# Altium PCB Core.PcbDoc (part 1 of 5) (continued)
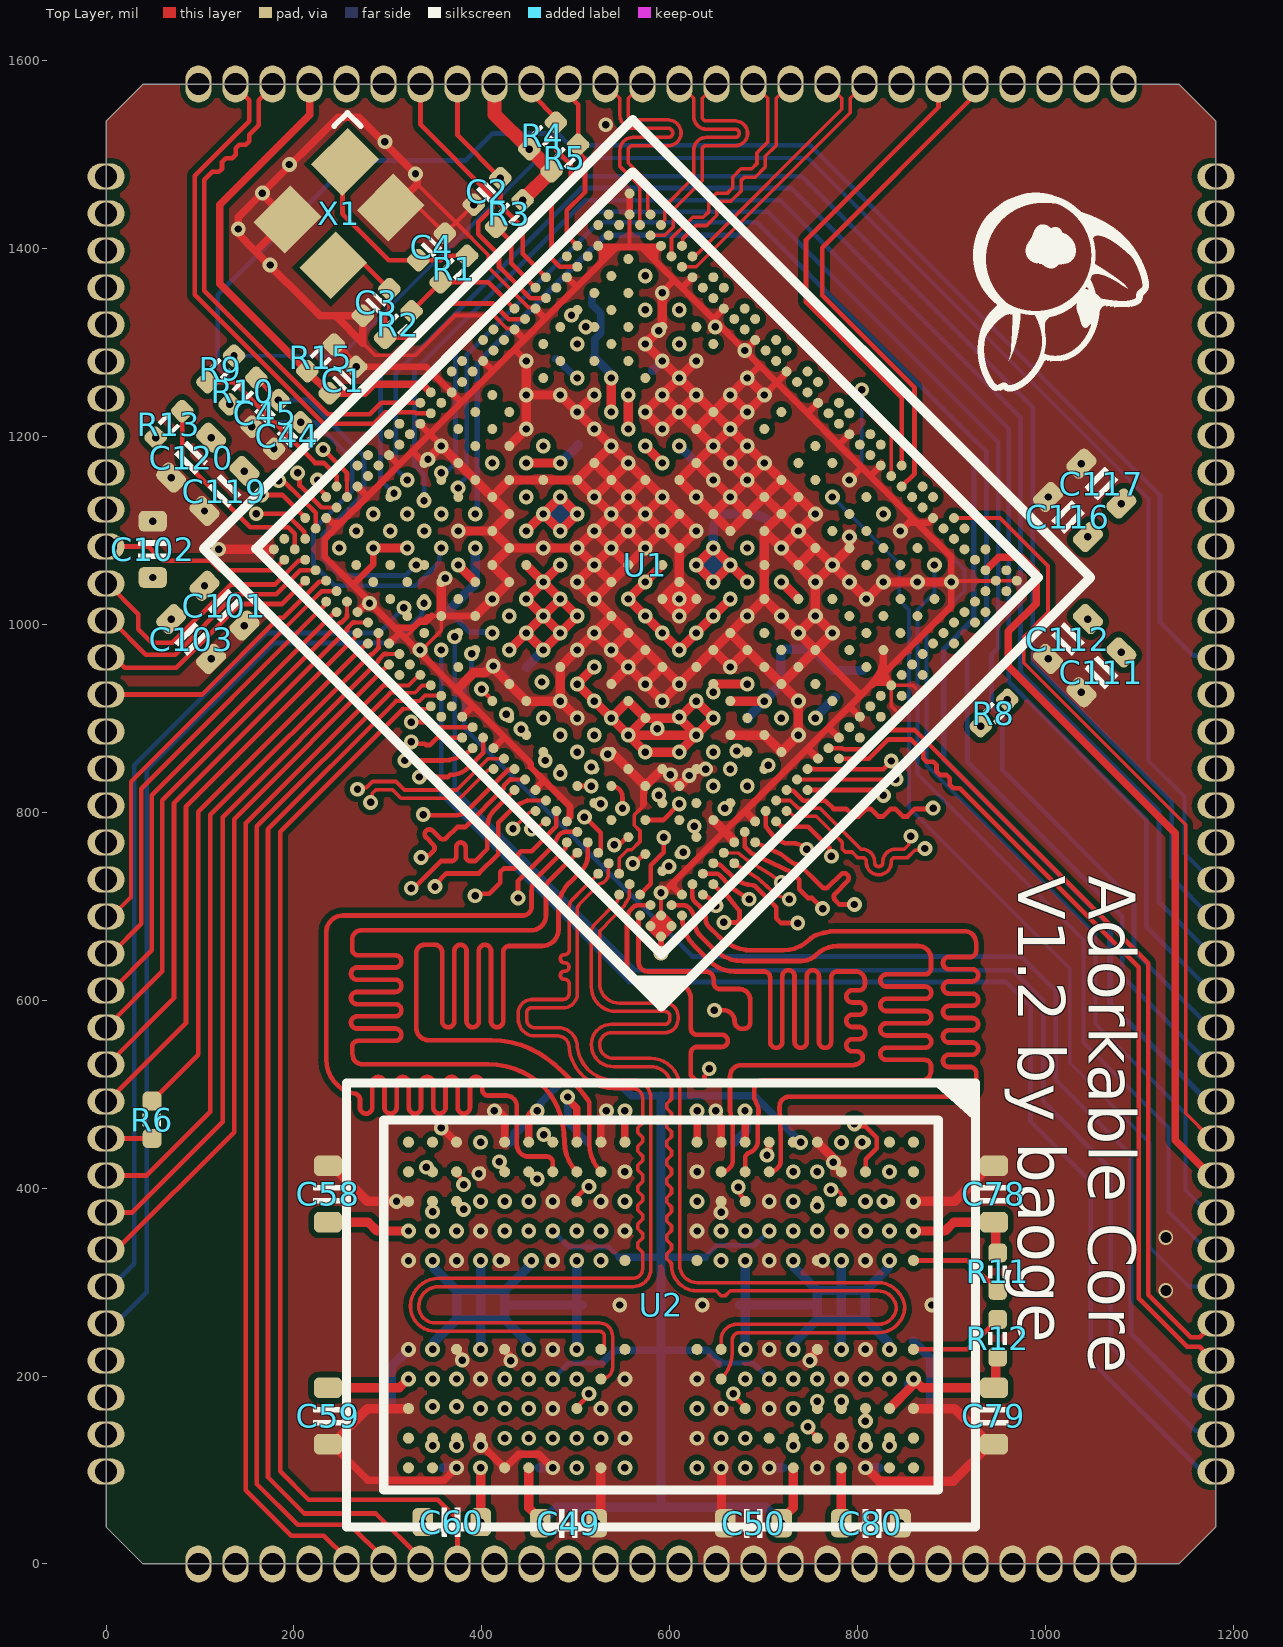
[diagram p0: Top Layer view]
## Design rules (kind name [scope] priority, off if disabled: settings)
Clearance [All] p1: gap=6 ignorepadtopadclearanceinfootprint=FALSE except(3.5: Arc-Arc Arc-Track Arc-SMDPad Track-Track Track-SMDPad; 4: Arc-THPad Arc-Via Track-THPad Track-Via SMDPad-SMDPad SMDPad-THPad SMDPad-Via THPad-THPad THPad-Via Via-Via)
DiffPairsRouting 90ohm [InDifferentialPairClass('90ohm')] p1: maxlimit=5 minlimit=5 mostfreqgap=5 toplayer_minwidth=5 toplayer_maxwidth=5 toplayer_prefwidth=5 midlayer1_minwidth=4.5 midlayer1_maxwidth=4.5 midlayer1_prefwidth=4.5 midlayer2_minwidth=4.5 midlayer2_maxwidth=4.5 midlayer2_prefwidth=4.5 midlayer3_minwidth=4.5 midlayer3_maxwidth=4.5 midlayer3_prefwidth=4.5 midlayer4_minwidth=4.5 midlayer4_maxwidth=4.5 midlayer4_prefwidth=4.5 bottomlayer_minwidth=5 bottomlayer_maxwidth=5 bottomlayer_prefwidth=5 maxuncoupledlength=500
DiffPairsRouting 100ohm [InDifferentialPairClass('100ohm')] p2: maxlimit=8 minlimit=5 mostfreqgap=8 toplayer_maxgap=5 toplayer_prefgap=5 toplayer_minwidth=3.8 toplayer_maxwidth=3.8 toplayer_prefwidth=3.8 midlayer1_mingap=8 midlayer1_minwidth=4.2 midlayer1_maxwidth=4.2 midlayer1_prefwidth=4.2 midlayer2_mingap=8 midlayer2_minwidth=4.2 midlayer2_maxwidth=4.2 midlayer2_prefwidth=4.2 midlayer3_mingap=8 midlayer3_minwidth=4.2 midlayer3_maxwidth=4.2 midlayer3_prefwidth=4.2 midlayer4_mingap=8 midlayer4_minwidth=4.2 midlayer4_maxwidth=4.2 midlayer4_prefwidth=4.2 bottomlayer_maxgap=5 bottomlayer_prefgap=5 bottomlayer_minwidth=3.8 bottomlayer_maxwidth=3.8 bottomlayer_prefwidth=3.8 maxuncoupledlength=500
HoleToHoleClearance [All] p1: gap=7 allowstackedmicrovias=TRUE
MinimumSolderMaskSliver [All] p1: minsoldermaskwidth=0
PlaneConnect [All] p1: planeconnectstyle=Direct reliefexpansion=20 reliefentries=4 reliefconductorwidth=10 reliefairgap=10
PolygonConnect [All] p1: connectstyle=Direct reliefconductorwidth=10 reliefentries=4 polygonreliefangle="90 Angle" airgapwidth=10
RoutingVias [All] p1: holewidth=15.75 width=11.81 viastyle="Through Hole" minholewidth=6 minwidth=10 maxholewidth=314.96 maxwidth=393.7
SilkToSilkClearance [All] p1: silktosilkclearance=0
SilkToSolderMaskClearance [IsPad] p1: minsilkscreentomaskgap=0 clearancetoexposedcopper=TRUE
SolderMaskExpansion [IsVia] p1: expansion=4 istentingtop=TRUE
SupplyNets "Schematic Supply Nets_8" [InNet('VCCIO_ACODEC')] p1: voltage=0.000
SupplyNets "Schematic Supply Nets_17" [InNet('VCCA1V8_IMAGE')] p2: voltage=0.000
SupplyNets "Schematic Supply Nets_16" [InNet('VDD_LOGIC')] p3: voltage=0.000
SupplyNets "Schematic Supply Nets_15" [InNet('VCC3V3_PMU')] p4: voltage=0.000
SupplyNets "Schematic Supply Nets_14" [InNet('VDDA_0V9')] p5: voltage=0.000
SupplyNets "Schematic Supply Nets_12" [InNet('VCC0V6_DDR')] p6: voltage=0.000
SupplyNets "Schematic Supply Nets_11" [InNet('GND')] p7: voltage=0.000
SupplyNets "Schematic Supply Nets_10" [InNet('VDD_GPU')] p8: voltage=0.000
SupplyNets "Schematic Supply Nets_9" [InNet('VDD_NPU')] p9: voltage=0.000
SupplyNets "Schematic Supply Nets_7" [InNet('VCCIO_SD')] p10: voltage=0.000
SupplyNets "Schematic Supply Nets_6" [InNet('VCC_3V3')] p11: voltage=0.000
SupplyNets "Schematic Supply Nets_5" [InNet('VCC1V8_DDR')] p12: voltage=0.000
SupplyNets "Schematic Supply Nets_4" [InNet('VDD_CPU')] p13: voltage=0.000
SupplyNets "Schematic Supply Nets_3" [InNet('VDDA0V9_PMU')] p14: voltage=0.000
SupplyNets "Schematic Supply Nets_2" [InNet('VCC_1V8')] p15: voltage=0.000
SupplyNets "Schematic Supply Nets_1" [InNet('VCCA_1V8')] p16: voltage=0.000
SupplyNets "Schematic Supply Nets" [InNet('VDDA0V9_IMAGE')] p17: voltage=0.000
Width [All] p1: maxlimit=40 minlimit=3.5 preferedwidth=5
24 further rules are at their usual default settings.

## Classes and differential pairs
net class LPDDR4_DQ8-15B: LPDDR4_DM1_B LPDDR4_DQ8_B LPDDR4_DQ9_B LPDDR4_DQ10_B LPDDR4_DQ11_B LPDDR4_DQ12_B LPDDR4_DQ13_B LPDDR4_DQ14_B LPDDR4_DQ15_B LPDDR4_DQS1_B_N LPDDR4_DQS1_B_P
net class LPDDR4_DQ8-15A: LPDDR4_DM1_A LPDDR4_DQ8_A LPDDR4_DQ9_A LPDDR4_DQ10_A LPDDR4_DQ11_A LPDDR4_DQ12_A LPDDR4_DQ13_A LPDDR4_DQ14_A LPDDR4_DQ15_A LPDDR4_DQS1_A_N LPDDR4_DQS1_A_P
net class LPDDR4_DQ0-7B: LPDDR4_DM0_B LPDDR4_DQ0_B LPDDR4_DQ1_B LPDDR4_DQ2_B LPDDR4_DQ3_B LPDDR4_DQ4_B LPDDR4_DQ5_B LPDDR4_DQ6_B LPDDR4_DQ7_B LPDDR4_DQS0_B_N LPDDR4_DQS0_B_P
net class LPDDR4_DQ0-7A: LPDDR4_DM0_A LPDDR4_DQ0_A LPDDR4_DQ1_A LPDDR4_DQ2_A LPDDR4_DQ3_A LPDDR4_DQ4_A LPDDR4_DQ5_A LPDDR4_DQ6_A LPDDR4_DQ7_A LPDDR4_DQS0_A_N LPDDR4_DQS0_A_P
net class LPDDR4_A0-5B: LPDDR4_A0_B LPDDR4_A1_B LPDDR4_A2_B LPDDR4_A3_B LPDDR4_A4_B LPDDR4_A5_B LPDDR4_CKE0_B LPDDR4_CKE1_B LPDDR4_CLK_B_N LPDDR4_CLK_B_P LPDDR4_CS0N_B LPDDR4_CS1N_B LPDDR4_ODT0_CA_B
net class LPDDR4_A0-5A: LPDDR4_A0_A LPDDR4_A1_A LPDDR4_A2_A LPDDR4_A3_A LPDDR4_A4_A LPDDR4_A5_A LPDDR4_CKE0_A LPDDR4_CKE1_A LPDDR4_CLK_A_N LPDDR4_CLK_A_P LPDDR4_CS0N_A LPDDR4_CS1N_A LPDDR4_ODT0_CA_A
differential pair class 100ohm: HDMI_TX_CLK HDMI_TX_D0 HDMI_TX_D1 HDMI_TX_D2 LPDDR4_CLK_A LPDDR4_CLK_B LPDDR4_DQS0_A LPDDR4_DQS0_B LPDDR4_DQS1_A LPDDR4_DQS1_B
differential pair class 90ohm: USB_HOST2 USB_HOST3 USB_OTG0
net class 100ohm: HDMI_TX_CLK_N HDMI_TX_CLK_P HDMI_TX_D0_N HDMI_TX_D0_P HDMI_TX_D1_N HDMI_TX_D1_P HDMI_TX_D2_N HDMI_TX_D2_P LPDDR4_CLK_A_N LPDDR4_CLK_A_P LPDDR4_CLK_B_N LPDDR4_CLK_B_P LPDDR4_DQS0_A_N LPDDR4_DQS0_A_P LPDDR4_DQS0_B_N LPDDR4_DQS0_B_P LPDDR4_DQS1_A_N LPDDR4_DQS1_A_P LPDDR4_DQS1_B_N LPDDR4_DQS1_B_P
net class 90ohm: USB_HOST2_N USB_HOST2_P USB_HOST3_N USB_HOST3_P USB_OTG0_N USB_OTG0_P
differential pair USB_OTG0: +USB_OTG0_P -USB_OTG0_N
differential pair USB_HOST3: +USB_HOST3_P -USB_HOST3_N
differential pair USB_HOST2: +USB_HOST2_P -USB_HOST2_N
differential pair LPDDR4_DQS1_B: +LPDDR4_DQS1_B_P -LPDDR4_DQS1_B_N
differential pair LPDDR4_DQS1_A: +LPDDR4_DQS1_A_P -LPDDR4_DQS1_A_N
differential pair LPDDR4_DQS0_B: +LPDDR4_DQS0_B_P -LPDDR4_DQS0_B_N
differential pair LPDDR4_DQS0_A: +LPDDR4_DQS0_A_P -LPDDR4_DQS0_A_N
differential pair LPDDR4_CLK_B: +LPDDR4_CLK_B_P -LPDDR4_CLK_B_N
differential pair LPDDR4_CLK_A: +LPDDR4_CLK_A_P -LPDDR4_CLK_A_N
differential pair HDMI_TX_D2: +HDMI_TX_D2_P -HDMI_TX_D2_N
differential pair HDMI_TX_D1: +HDMI_TX_D1_P -HDMI_TX_D1_N
differential pair HDMI_TX_D0: +HDMI_TX_D0_P -HDMI_TX_D0_N
differential pair HDMI_TX_CLK: +HDMI_TX_CLK_P -HDMI_TX_CLK_N

## Components (designator, comment, footprint, x,y, rotation, side; value= is the part's Value field where it differs from the comment)
C1 "C0402" CAP_0402 251.97,1259.84 r225 top value=100nF
C2 "C0402" CAP_0402 405.51,1460.63 r45 top value=100nF
C3 "C0402" CAP_0402 287.4,1342.52 r45 top value=12pF
C4 "C0402" CAP_0402 346.46,1401.57 r225 top value=12pF
C5 "C0201" CAP_0201 690.91,944.81 r225 bottom value=100nF
C6 "C0201" CAP_0201 419.48,1163.08 r135 bottom value=100nF
C7 "C0201" CAP_0201 438.7,1126.89 r45 bottom value=100nF
C8 "C0201" CAP_0201 438.7,1180.05 r315 bottom value=100nF
C9 "C0201" CAP_0201 564.24,1235.46 r315 bottom value=100nF
C10 "C0201" CAP_0201 709.54,981.93 r315 bottom value=100nF
C11 "C0402" CAP_0402 533.73,1298.23 r225 bottom value=1uF
C12 "C0201" CAP_0201 546.15,1270.53 r225 bottom value=100nF
C13 "C0201" CAP_0201 727.1,908.62 r225 bottom value=100nF
C14 "C0402" CAP_0402 463.94,1268.51 r45 bottom value=1uF
C15 "C0201" CAP_0201 492.98,1253.55 r45 bottom value=100nF
C16 "C0201" CAP_0201 745.25,890.49 r45 bottom value=1uF
C17 "C0201" CAP_0201 646.23,939.28 r270 bottom value=100nF
C18 "C0201" CAP_0201 547.27,1199.27 r225 bottom value=100nF
C19 "C0201" CAP_0201 456.79,1198.14 r315 bottom value=100nF
C20 "C0201" CAP_0201 511.08,1199.27 r225 bottom value=100nF
C21 "C0402" CAP_0402 761.95,936.65 r315 bottom value=4.7uF
C22 "C0402" CAP_0402 791.26,964.94 r315 bottom value=1uF
C23 "C0201" CAP_0201 692.03,890.52 r135 bottom value=100nF
C24 "C0201" CAP_0201 529.17,1234.33 r135 bottom value=100nF
C25 "C0402" CAP_0402 531.15,1362.3 r225 bottom value=1uF
C26 "C0201" CAP_0201 601.56,1342.91 r315 bottom value=100nF
C27 "C0402" CAP_0402 348.21,998.03 r45 bottom value=4.7uF
C28 "C0201" CAP_0201 582.34,1198.14 r225 bottom value=100nF
C29 "C0402" CAP_0402 579.13,1151.42 r45 bottom value=1uF
C30 "C0201" CAP_0201 401.38,1000.22 r315 bottom value=100nF
C31 "C0201" CAP_0201 618.53,1198.14 r225 bottom value=100nF
C32 "C0201" CAP_0201 636.62,1180.05 r225 bottom value=1uF
C33 "C0201" CAP_0201 504.22,914.9 r45 bottom value=100nF
C34 "C0201" CAP_0201 586.53,901.28 r270 bottom value=100nF
C35 "C0201" CAP_0201 511.08,962.91 r315 bottom value=100nF
C36 "C0402" CAP_0402 615.85,922.51 r270 bottom value=4.7uF
C37 "C0402" CAP_0402 440.31,1042.48 r315 bottom value=4.7uF
C38 "C0201" CAP_0201 486.31,933.06 r45 bottom value=100nF
C39 "C0201" CAP_0201 547.67,873.16 r45 bottom value=100nF
C40 "C0201" CAP_0201 610.04,852.48 r90 bottom value=100nF
C41 "C0402" CAP_0402 548.76,918.23 r225 bottom value=4.7uF
C42 "C0402" CAP_0402 562.52,844.63 r45 bottom value=4.7uF
C43 "C0201" CAP_0201 402.51,1107.67 r135 bottom value=100nF
C44 "C0402" CAP_0402 192.91,1200.79 r45 top value=1nF
C45 "C0402" CAP_0402 169.29,1224.41 r45 top value=1nF
C46 "C0201" CAP_0201 366.32,1054.51 r225 bottom value=100nF
C47 "C0201" CAP_0201 709,1054.51 r135 bottom value=100nF
C48 "C0201" CAP_0201 673.94,1089.57 r135 bottom value=100nF
C49 "C0603" CAP_0603#1 492.13,43.31 r180 top value=10uF
C50 "C0603" CAP_0603#1 688.98,43.31 r0 top value=10uF
C51 "C0402" CAP_0402 705.71,334.33 r90 bottom value=100nF
C52 "C0402" CAP_0402 705.71,216.85 r270 bottom value=100nF
C53 "C0402" CAP_0402 475.39,216.85 r270 bottom value=100nF
C54 "C0402" CAP_0402 449.8,448.82 r180 bottom value=100nF
C55 "C0402" CAP_0402 731.3,448.59 r0 bottom value=100nF
C56 "C0402" CAP_0402 475.39,334.33 r90 bottom value=100nF
C57 "C0201" CAP_0201 384.41,1089.57 r135 bottom value=100nF
C58 "C0603" CAP_0603#1 236.22,393.7 r270 top value=22uF
C59 "C0603" CAP_0603#1 236.22,157.48 r90 top value=10uF
C60 "C0603" CAP_0603#2 367.17,44.6 r0 top value=10uF
C61 "C0402" CAP_0402 378.62,448.82 r0 bottom value=1uF
C62 "C0402" CAP_0402 859.25,334.33 r90 bottom value=100nF
C63 "C0402" CAP_0402 321.85,334.33 r90 bottom value=100nF
C64 "C0402" CAP_0402 373.03,311.02 r270 bottom value=100nF
C65 "C0402" CAP_0402 853.66,385.83 r180 bottom value=100nF
C66 "C0402" CAP_0402 327.44,385.83 r0 bottom value=100nF
C67 "C0402" CAP_0402 808.07,240.16 r90 bottom value=100nF
C68 "C0402" CAP_0402 321.85,216.85 r270 bottom value=100nF
C69 "C0402" CAP_0402 859.25,216.85 r270 bottom value=100nF
C70 "C0402" CAP_0402 424.21,240.16 r90 bottom value=100nF
C71 "C0402" CAP_0402 756.89,240.16 r90 bottom value=100nF
C72 "C0402" CAP_0402 373.03,240.16 r90 bottom value=100nF
C73 "C0402" CAP_0402 628.94,365.83 r90 bottom value=100nF
C74 "C0402" CAP_0402 424.21,311.02 r270 bottom value=100nF
C75 "C0402" CAP_0402 808.07,311.02 r270 bottom value=100nF
C76 "C0402" CAP_0402 552.16,365.83 r90 bottom value=100nF
C77 "C0402" CAP_0402 756.89,311.02 r270 bottom value=100nF
C78 "C0603" CAP_0603#1 944.88,393.7 r270 top value=22uF
C79 "C0603" CAP_0603#1 944.88,157.48 r90 top value=10uF
C80 "C0603" CAP_0603#3 815.47,43.31 r180 top value=10uF
C81 "C0402" CAP_0402 802.48,448.82 r180 bottom value=1uF
C82 "C0402" CAP_0402 711.3,385.83 r0 bottom value=100nF
C83 "C0402" CAP_0402 552.16,188.98 r270 bottom value=100nF
C84 "C0402" CAP_0402 628.94,188.98 r270 bottom value=100nF
C85 "C0402" CAP_0402 469.8,385.83 r180 bottom value=100nF
C86 "C0402" CAP_0402 628.94,114.17 r270 bottom value=100nF
C87 "C0402" CAP_0402 802.48,102.36 r180 bottom value=100nF
C88 "C0402" CAP_0402 480.98,102.36 r0 bottom value=100nF
C89 "C0402" CAP_0402 700.12,102.36 r180 bottom value=100nF
C90 "C0402" CAP_0402 378.62,102.36 r0 bottom value=100nF
C91 "C0402" CAP_0402 853.66,165.35 r180 bottom value=100nF
C92 "C0402" CAP_0402 327.44,165.35 r0 bottom value=100nF
C93 "C0402" CAP_0402 469.8,165.35 r180 bottom value=100nF
C94 "C0402" CAP_0402 711.3,165.35 r0 bottom value=100nF
C95 "C0402" CAP_0402 526.57,275.59 r180 bottom value=100nF
C96 "C0402" CAP_0402 654.53,275.59 r0 bottom value=100nF
C97 "C0402" CAP_0402 532.16,448.82 r180 bottom value=100nF
C98 "C0402" CAP_0402 648.94,448.82 r0 bottom value=100nF
C99 "C0402" CAP_0402 552.16,114.17 r270 bottom value=100nF
C100 "C0402" CAP_0402 503.41,1029.01 r225 bottom value=4.7uF
C101 "C0603" CAP_0603#1 125.98,1019.68 r135 top value=22uF
C102 "C0603" CAP_0603#1 49.65,1079.69 r270 top value=22uF
C103 "C0603" CAP_0603#1 90.55,984.25 r135 top value=22uF
C104 "C0201" CAP_0201 420.6,964.03 r45 bottom value=100nF
C105 "C0201" CAP_0201 439.24,945.47 r45 bottom value=100nF
C106 "C0201" CAP_0201 672.81,1018.32 r135 bottom value=100nF
C107 "C0402" CAP_0402 656.35,991.62 r135 bottom value=4.7uF
C108 "C0402" CAP_0402 565.5,977.61 r45 bottom value=4.7uF
C109 "C0402" CAP_0402 540.02,1002.71 r45 bottom value=4.7uF
C110 "C0603" CAP_0603#1 561.55,1061.97 r315 bottom value=10uF
C111 "C0603" CAP_0603#1 1059.06,948.82 r45 top value=22uF
C112 "C0603" CAP_0603#1 1023.62,984.25 r45 top value=22uF
C113 "C0201" CAP_0201 690.91,1036.41 r135 bottom value=100nF
C114 "C0402" CAP_0402 722.57,1121.23 r225 bottom value=4.7uF
C115 "C0603" CAP_0603#1 605.85,1082.24 r315 bottom value=10uF
C116 "C0603" CAP_0603#1 1023.62,1114.17 r315 top value=22uF
C117 "C0603" CAP_0603#1 1059.06,1149.61 r315 top value=22uF
C118 "C0201" CAP_0201 455.67,1090.7 r135 bottom value=100nF
C119 "C0603" CAP_0603#1 125.98,1141.73 r45 top value=10uF
C120 "C0603" CAP_0603#1 90.55,1177.17 r45 top value=22uF
C121 "C0603" CAP_0603#1 499.66,1134.38 r225 bottom value=22uF
C122 "C0201" CAP_0201 420.6,1019.17 r135 bottom value=100nF
R1 "R0402" RES_0402 370.08,1377.95 r225 top value=22Ω
R2 "R0402" RES_0402 311.02,1318.9 r45 top value=1MΩ
R3 "R0402" RES_0402 429.13,1437.01 r45 top value=10K
R4 "R0402" RES_0402 464.57,1519.68 r45 top value=2.2K
R5 "R0402" RES_0402 488.19,1496.06 r45 top value=2.2K
R6 "R0402" RES_0402 48.92,472.76 r270 top value=22Ω
R7 "R0402" RES_0402 595.9,1284.09 r225 bottom value=1.62K
R8 "R0402" RES_0402 944.88,905.51 r225 top value=120Ω
R9 "R0402" RES_0402 122.05,1271.65 r45 top value=22Ω
R10 "R0402" RES_0402 145.67,1248.03 r225 top value=10K
R11 "R0402" RES_0402 948.82,311.02 r270 top value=240Ω
R12 "R0402" RES_0402 948.82,240.16 r270 top value=240Ω
R13 "R0402" RES_0402 66.93,1212.6 r225 top value=22Ω
R15 "R0402" RES_0402 228.35,1283.46 r225 top value=15K
U1 "RK3566" RK3566 590.55,667.68 r135 top locked
U2 "LPDDR4" LPDDR4 859.25,448.82 r270 top locked
X1 "24MHz" OSC-SMD_4P-L3.2-W2.5-BL 248.03,1437.01 r225 top

## Footprints (in the part's own frame and the unit in brackets; to place one, negate y for a bottom-side part, rotate by r counter-clockwise, add the part's x,y. Pads: shape width x height; smd on the part's side, far side on the other; paste and mask are expansions set on the pad)
CAP_0201 [mil]
  rrect50% 12x12 smd: 1(-12,0) 2(12,0)
  silkscreen extent -4,-5 4,5, body extent -12,-6 12,6, height 12
CAP_0402 [mil]
  rrect50% 20x20 smd: 1(-20,0) 2(20,0)
  silkscreen extent -7,-9 6,9, body extent -20,-10 20,10, height 20
CAP_0603#1 [mil]
  rrect50% 22x30 smd: 1(-30,0) 2(30,0)
  silkscreen extent -10,-15 10,15, body extent -31,-16 31,16, height 31
CAP_0603#2 [mil]
  rrect50% 22x30 smd: 1(-30,0) 2(31.46,0)
  silkscreen extent -10,-15 10,15, body extent -31,-16 31,16, height 31
CAP_0603#3 [mil]
  rrect50% 22x30 smd: 1(-30,0) 2(32.99,0)
  silkscreen extent -10,-15 10,15, body extent -31,-16 31,16, height 31
LPDDR4 [mm]
  round 0.3 smd: A1(0,0) A2(0.8,0) A3(1.6,0) A4(2.4,0) A5(3.2,0) A8(5.6,0) A9(6.4,0) A10(7.2,0) A11(8,0) A12(8.8,0) AA1(0,-13) AA2(0.8,-13) AA3(1.6,-13) AA4(2.4,-13) AA5(3.2,-13) AA8(5.6,-13) AA9(6.4,-13) AA10(7.2,-13) AA11(8,-13) AA12(8.8,-13) AB1(0,-13.65) AB2(0.8,-13.65) AB3(1.6,-13.65) AB4(2.4,-13.65) AB5(3.2,-13.65) AB8(5.6,-13.65) AB9(6.4,-13.65) AB10(7.2,-13.65) AB11(8,-13.65) AB12(8.8,-13.65) B1(0,-0.65) B2(0.8,-0.65) B3(1.6,-0.65) B4(2.4,-0.65) B5(3.2,-0.65) B8(5.6,-0.65) B9(6.4,-0.65) B10(7.2,-0.65) B11(8,-0.65) B12(8.8,-0.65) C1(0,-1.3) C2(0.8,-1.3) C3(1.6,-1.3) C4(2.4,-1.3) C5(3.2,-1.3) C8(5.6,-1.3) C9(6.4,-1.3) C10(7.2,-1.3) C11(8,-1.3) C12(8.8,-1.3) D1(0,-1.95) D2(0.8,-1.95) D3(1.6,-1.95) D4(2.4,-1.95) D5(3.2,-1.95) D8(5.6,-1.95) D9(6.4,-1.95) D10(7.2,-1.95) D11(8,-1.95) D12(8.8,-1.95) E1(0,-2.6) E2(0.8,-2.6) E3(1.6,-2.6) E4(2.4,-2.6) E5(3.2,-2.6) E8(5.6,-2.6) E9(6.4,-2.6) E10(7.2,-2.6) E11(8,-2.6) E12(8.8,-2.6) F1(0,-3.25) F2(0.8,-3.25) F3(1.6,-3.25) F4(2.4,-3.25) F5(3.2,-3.25) F8(5.6,-3.25) F9(6.4,-3.25) F10(7.2,-3.25) F11(8,-3.25) F12(8.8,-3.25) G1(0,-3.9) G2(0.8,-3.9) G3(1.6,-3.9) G4(2.4,-3.9) G5(3.2,-3.9) G8(5.6,-3.9) G9(6.4,-3.9) G10(7.2,-3.9) G11(8,-3.9) G12(8.8,-3.9) H1(0,-4.55) H2(0.8,-4.55) H3(1.6,-4.55) H4(2.4,-4.55) H5(3.2,-4.55) H8(5.6,-4.55) H9(6.4,-4.55) H10(7.2,-4.55) H11(8,-4.55) H12(8.8,-4.55) J1(0,-5.2) J2(0.8,-5.2) J3(1.6,-5.2) J4(2.4,-5.2) J5(3.2,-5.2) J8(5.6,-5.2) J9(6.4,-5.2) J10(7.2,-5.2) J11(8,-5.2) J12(8.8,-5.2) K1(0,-5.85) K2(0.8,-5.85) K3(1.6,-5.85) K4(2.4,-5.85) K5(3.2,-5.85) K8(5.6,-5.85) K9(6.4,-5.85) K10(7.2,-5.85) K11(8,-5.85) K12(8.8,-5.85) N1(0,-7.8) N2(0.8,-7.8) N3(1.6,-7.8) N4(2.4,-7.8) N5(3.2,-7.8) N8(5.6,-7.8) N9(6.4,-7.8) N10(7.2,-7.8) N11(8,-7.8) N12(8.8,-7.8) P1(0,-8.45) P2(0.8,-8.45) P3(1.6,-8.45) P4(2.4,-8.45) P5(3.2,-8.45) P8(5.6,-8.45) P9(6.4,-8.45) P10(7.2,-8.45) P11(8,-8.45) P12(8.8,-8.45) R1(0,-9.1) R2(0.8,-9.1) R3(1.6,-9.1) R4(2.4,-9.1) R5(3.2,-9.1) R8(5.6,-9.1) R9(6.4,-9.1) R10(7.2,-9.1) R11(8,-9.1) R12(8.8,-9.1) T1(0,-9.75) T2(0.8,-9.75) T3(1.6,-9.75) T4(2.4,-9.75) T5(3.2,-9.75) T8(5.6,-9.75) T9(6.4,-9.75) T10(7.2,-9.75) T11(8,-9.75) T12(8.8,-9.75) U1(0,-10.4) U2(0.8,-10.4) U3(1.6,-10.4) U4(2.4,-10.4) U5(3.2,-10.4) U8(5.6,-10.4) U9(6.4,-10.4) U10(7.2,-10.4) U11(8,-10.4) U12(8.8,-10.4) V1(0,-11.05) V2(0.8,-11.05) V3(1.6,-11.05) V4(2.4,-11.05) V5(3.2,-11.05) V8(5.6,-11.05) V9(6.4,-11.05) V10(7.2,-11.05) V11(8,-11.05) V12(8.8,-11.05) W1(0,-11.7) W2(0.8,-11.7) W3(1.6,-11.7) W4(2.4,-11.7) W5(3.2,-11.7) W8(5.6,-11.7) W9(6.4,-11.7) W10(7.2,-11.7) W11(8,-11.7) W12(8.8,-11.7) Y1(0,-12.35) Y2(0.8,-12.35) Y3(1.6,-12.35) Y4(2.4,-12.35) Y5(3.2,-12.35) Y8(5.6,-12.35) Y9(6.4,-12.35) Y10(7.2,-12.35) Y11(8,-12.35) Y12(8.8,-12.35)
  silkscreen extent -1.6,-15.33 10.4,1.68, body extent -0.47,-14.19 9.27,0.54, height 1
OSC-SMD_4P-L3.2-W2.5-BL [mm]
  rect 1.4x1.2 smd: 1(-1.1,-0.875) 2(1.1,-0.875) 3(1.1,0.875) 4(-1.1,0.875)
  silkscreen extent -2.08,-1.77 -1.57,-1.26
RES_0402 [mil]
  rrect50% 20x20 smd: 1(-20,0) 2(20,0)
  silkscreen extent -7,-9 7,9, body extent -20,-10 20,10, height 14
RK3566 [mm]
  round 0.27 smd mask+0.051: 1A1(1.225,-1.275) 1A2(1.875,-1.275) 1A3(2.525,-1.275) 1A4(3.175,-1.275) 1A5(3.825,-1.275) 1A6(4.475,-1.275) 1A7(5.125,-1.275) 1A8(5.775,-1.275) 1A9(6.425,-1.275) 1A10(7.075,-1.275) 1A11(7.725,-1.275) 1A13(9.025,-1.275) 1A14(9.675,-1.275) 1A15(10.325,-1.275) 1A16(10.975,-1.275) 1A17(11.625,-1.275) 1A18(12.275,-1.275) 1A19(12.925,-1.275) 1A20(13.575,-1.275) 1B1(1.225,-1.925) 1B3(2.525,-1.925) 1B5(3.825,-1.925) 1B6(4.475,-1.925) 1B7(5.125,-1.925) 1B8(5.775,-1.925) 1B9(6.425,-1.925) 1B10(7.075,-1.925) 1B11(7.725,-1.925) 1B13(9.025,-1.925) 1B14(9.675,-1.925) 1B15(10.325,-1.925) 1B16(10.975,-1.925) 1B17(11.625,-1.925) 1B18(12.275,-1.925) 1B19(12.925,-1.925) 1B20(13.575,-1.925) 1C1(1.225,-2.575) 1C2(1.875,-2.575) 1C3(2.525,-2.575) 1C4(3.175,-2.575) 1C5(3.825,-2.575) 1C6(4.475,-2.575) 1C7(5.125,-2.575) 1C8(5.775,-2.575) 1C9(6.425,-2.575) 1C10(7.075,-2.575) 1C12(8.375,-2.575) 1C13(9.025,-2.575) 1C14(9.675,-2.575) 1C15(10.325,-2.575) 1C16(10.975,-2.575) 1C17(11.625,-2.575) 1C18(12.275,-2.575) 1C19(12.925,-2.575) 1C20(13.575,-2.575) 1D1(1.225,-3.225) 1D2(1.875,-3.225) 1D3(2.525,-3.225) 1D4(3.175,-3.225) 1D5(3.825,-3.225) 1D6(4.475,-3.225) 1D7(5.125,-3.225) 1D8(5.775,-3.225) 1D9(6.425,-3.225) 1D10(7.075,-3.225) 1D11(7.725,-3.225) 1D12(8.375,-3.225) 1D13(9.025,-3.225) 1D14(9.675,-3.225) 1D15(10.325,-3.225) 1D16(10.975,-3.225) 1D17(11.625,-3.225) 1D18(12.275,-3.225) 1D19(12.925,-3.225) 1D20(13.575,-3.225) 1E1(1.225,-3.875) 1E2(1.875,-3.875) 1E3(2.525,-3.875) 1E4(3.175,-3.875) 1E6(4.475,-3.875) 1E7(5.125,-3.875) 1E8(5.775,-3.875) 1E9(6.425,-3.875) 1E10(7.075,-3.875) 1E11(7.725,-3.875) 1E12(8.375,-3.875) 1E13(9.025,-3.875) 1E14(9.675,-3.875) 1E15(10.325,-3.875) 1E16(10.975,-3.875) 1E17(11.625,-3.875) 1E18(12.275,-3.875) 1E19(12.925,-3.875) 1E20(13.575,-3.875) 1F1(1.225,-4.525) 1F2(1.875,-4.525) 1F3(2.525,-4.525) 1F4(3.175,-4.525) 1F5(3.825,-4.525) 1F6(4.475,-4.525) 1F7(5.125,-4.525) 1F8(5.775,-4.525) 1F9(6.425,-4.525) 1F10(7.075,-4.525) 1F11(7.725,-4.525) 1F12(8.375,-4.525) 1F13(9.025,-4.525) 1F14(9.675,-4.525) 1F15(10.325,-4.525) 1F16(10.975,-4.525) 1F17(11.625,-4.525) 1F18(12.275,-4.525) 1F19(12.925,-4.525) 1F20(13.575,-4.525) 1G1(1.225,-5.175) 1G2(1.875,-5.175) 1G3(2.525,-5.175) 1G4(3.175,-5.175) 1G5(3.825,-5.175) 1G6(4.475,-5.175) 1G7(5.125,-5.175) 1G8(5.775,-5.175) 1G9(6.425,-5.175) 1G10(7.075,-5.175) 1G11(7.725,-5.175) 1G12(8.375,-5.175) 1G13(9.025,-5.175) 1G14(9.675,-5.175) 1G15(10.325,-5.175) 1G16(10.975,-5.175) 1G17(11.625,-5.175) 1G18(12.275,-5.175) 1G19(12.925,-5.175) 1G20(13.575,-5.175) 1H1(1.225,-5.825) 1H2(1.875,-5.825) 1H3(2.525,-5.825) 1H4(3.175,-5.825) 1H5(3.825,-5.825) 1H6(4.475,-5.825) 1H7(5.125,-5.825) 1H8(5.775,-5.825) 1H9(6.425,-5.825) 1H10(7.075,-5.825) 1H11(7.725,-5.825) 1H12(8.375,-5.825) 1H13(9.025,-5.825) 1H14(9.675,-5.825) 1H15(10.325,-5.825) 1H16(10.975,-5.825) 1H17(11.625,-5.825) 1H18(12.275,-5.825) 1H19(12.925,-5.825) 1H20(13.575,-5.825) 1J1(1.225,-6.475) 1J2(1.875,-6.475) 1J3(2.525,-6.475) 1J4(3.175,-6.475) 1J5(3.825,-6.475) 1J6(4.475,-6.475) 1J7(5.125,-6.475) 1J8(5.775,-6.475) 1J9(6.425,-6.475) 1J10(7.075,-6.475) 1J11(7.725,-6.475) 1J12(8.375,-6.475) 1J13(9.025,-6.475) 1J14(9.675,-6.475) 1J15(10.325,-6.475) 1J16(10.975,-6.475) 1J17(11.625,-6.475) 1J18(12.275,-6.475) 1J19(12.925,-6.475) 1J20(13.575,-6.475) 1K2(1.875,-7.125) 1K3(2.525,-7.125) 1K4(3.175,-7.125) 1K5(3.825,-7.125) 1K6(4.475,-7.125) 1K7(5.125,-7.125) 1K8(5.775,-7.125) 1K9(6.425,-7.125) 1K10(7.075,-7.125) 1K11(7.725,-7.125) 1K12(8.375,-7.125) 1K13(9.025,-7.125) 1K14(9.675,-7.125) 1K15(10.325,-7.125) 1K16(10.975,-7.125) 1K17(11.625,-7.125) 1K18(12.275,-7.125) 1K19(12.925,-7.125) 1K20(13.575,-7.125) 1L1(1.225,-7.775) 1L2(1.875,-7.775) 1L3(2.525,-7.775) 1L4(3.175,-7.775) 1L5(3.825,-7.775) 1L6(4.475,-7.775) 1L7(5.125,-7.775) 1L8(5.775,-7.775) 1L9(6.425,-7.775) 1L10(7.075,-7.775) 1L11(7.725,-7.775) 1L12(8.375,-7.775) 1L13(9.025,-7.775) 1L14(9.675,-7.775) 1L15(10.325,-7.775) 1L19(12.925,-7.775) 1M3(2.525,-8.425) 1M4(3.175,-8.425) 1M5(3.825,-8.425) 1M6(4.475,-8.425) 1M7(5.125,-8.425) 1M8(5.775,-8.425) 1M9(6.425,-8.425) 1M10(7.075,-8.425) 1M11(7.725,-8.425) 1M12(8.375,-8.425) 1M13(9.025,-8.425) 1M14(9.675,-8.425) 1M15(10.325,-8.425) 1M16(10.975,-8.425) 1M17(11.625,-8.425) 1M18(12.275,-8.425) 1M19(12.925,-8.425) 1M20(13.575,-8.425) 1N1(1.225,-9.075) 1N2(1.875,-9.075) 1N3(2.525,-9.075) 1N4(3.175,-9.075) 1N5(3.825,-9.075) 1N6(4.475,-9.075) 1N7(5.125,-9.075) 1N8(5.775,-9.075) 1N9(6.425,-9.075) 1N10(7.075,-9.075) 1N11(7.725,-9.075) 1N12(8.375,-9.075) 1N13(9.025,-9.075) 1N14(9.675,-9.075) 1N15(10.325,-9.075) 1N16(10.975,-9.075) 1N17(11.625,-9.075) 1N18(12.275,-9.075) 1N19(12.925,-9.075) 1N20(13.575,-9.075) 1P1(1.225,-9.725) 1P2(1.875,-9.725) 1P3(2.525,-9.725) 1P4(3.175,-9.725) 1P5(3.825,-9.725) 1P6(4.475,-9.725) 1P7(5.125,-9.725) 1P8(5.775,-9.725) 1P9(6.425,-9.725) 1P10(7.075,-9.725) 1P11(7.725,-9.725) 1P12(8.375,-9.725) 1P13(9.025,-9.725) 1P14(9.675,-9.725) 1P15(10.325,-9.725) 1P16(10.975,-9.725) 1P17(11.625,-9.725) 1P18(12.275,-9.725) 1P19(12.925,-9.725) 1P20(13.575,-9.725) 1R1(1.225,-10.375) 1R2(1.875,-10.375) 1R3(2.525,-10.375) 1R4(3.175,-10.375) 1R5(3.825,-10.375) 1R6(4.475,-10.375) 1R7(5.125,-10.375) 1R8(5.775,-10.375) 1R9(6.425,-10.375) 1R10(7.075,-10.375) 1R11(7.725,-10.375) 1R12(8.375,-10.375) 1R13(9.025,-10.375) 1R14(9.675,-10.375) 1R15(10.325,-10.375) 1R16(10.975,-10.375) 1R17(11.625,-10.375) 1R18(12.275,-10.375) 1R19(12.925,-10.375) 1R20(13.575,-10.375) 1T1(1.225,-11.025) 1T2(1.875,-11.025) 1T3(2.525,-11.025) 1T4(3.175,-11.025) 1T5(3.825,-11.025) 1T6(4.475,-11.025) 1T7(5.125,-11.025) 1T8(5.775,-11.025) 1T9(6.425,-11.025) 1T10(7.075,-11.025) 1T11(7.725,-11.025) 1T12(8.375,-11.025) 1T13(9.025,-11.025) 1T14(9.675,-11.025) 1T15(10.325,-11.025) 1T16(10.975,-11.025) 1T17(11.625,-11.025) 1T18(12.275,-11.025) 1T19(12.925,-11.025) 1T20(13.575,-11.025) 1U1(1.225,-11.675) 1U2(1.875,-11.675) 1U3(2.525,-11.675) 1U4(3.175,-11.675) 1U5(3.825,-11.675) 1U6(4.475,-11.675) 1U7(5.125,-11.675) 1U8(5.775,-11.675) 1U9(6.425,-11.675) 1U11(7.725,-11.675) 1U12(8.375,-11.675) 1U13(9.025,-11.675) 1U15(10.325,-11.675) 1U16(10.975,-11.675) 1U17(11.625,-11.675) 1U18(12.275,-11.675) 1U19(12.925,-11.675) 1U20(13.575,-11.675) 1V1(1.225,-12.325) 1V2(1.875,-12.325) 1V3(2.525,-12.325) 1V4(3.175,-12.325) 1V5(3.825,-12.325) 1V6(4.475,-12.325) 1V7(5.125,-12.325) 1V8(5.775,-12.325) 1V9(6.425,-12.325) 1V11(7.725,-12.325) 1V12(8.375,-12.325) 1V13(9.025,-12.325) 1V15(10.325,-12.325) 1V16(10.975,-12.325) 1V17(11.625,-12.325) 1V18(12.275,-12.325) 1V19(12.925,-12.325) 1V20(13.575,-12.325) A1(0,0) A2(0.4,0) A3(0.8,0) A5(1.6,0) A7(2.4,0) A9(3.2,0) A10(3.6,0) A12(4.4,0) A13(4.8,0) A15(5.6,0) A17(6.4,0) A19(7.2,0) A20(7.6,0) A22(8.4,0) A23(8.8,0) A26(10,0) A27(10.4,0) A29(11.2,0) A30(11.6,0) A32(12.4,0) A33(12.8,0) A35(13.6,0) A37(14.4,0) A38(14.8,0) AA2(0.4,-8) AA37(14.4,-8) AA38(14.8,-8) AB1(0,-8.4) AB2(0.4,-8.4) AB37(14.4,-8.4) AB38(14.8,-8.4) AC2(0.4,-8.8) AC37(14.4,-8.8) AD1(0,-9.2) AD2(0.4,-9.2) AD37(14.4,-9.2) AD38(14.8,-9.2) AE2(0.4,-9.6) AE37(14.4,-9.6) AF1(0,-10) AF2(0.4,-10) AF37(14.4,-10) AF38(14.8,-10) AG2(0.4,-10.4) AG37(14.4,-10.4) AG38(14.8,-10.4) AH2(0.4,-10.8) AH37(14.4,-10.8) AJ1(0,-11.2) AJ2(0.4,-11.2) AJ37(14.4,-11.2) AJ38(14.8,-11.2) AK2(0.4,-11.6) AK37(14.4,-11.6) AK38(14.8,-11.6) AL1(0,-12) AL2(0.4,-12) AL37(14.4,-12) AM1(0,-12.4) AM2(0.4,-12.4) AM37(14.4,-12.4) AM38(14.8,-12.4) AN2(0.4,-12.8) AN37(14.4,-12.8) AN38(14.8,-12.8) AP1(0,-13.2) AP2(0.4,-13.2) AP3(0.8,-13.2) AP4(1.2,-13.2) AP5(1.6,-13.2) AP6(2,-13.2) AP7(2.4,-13.2) AP8(2.8,-13.2) AP9(3.2,-13.2) AP10(3.6,-13.2) AP11(4,-13.2) AP12(4.4,-13.2) AP13(4.8,-13.2) AP14(5.2,-13.2) AP15(5.6,-13.2) AP16(6,-13.2) AP17(6.4,-13.2) AP18(6.8,-13.2) AP19(7.2,-13.2) AP20(7.6,-13.2) AP21(8,-13.2) AP22(8.4,-13.2) AP23(8.8,-13.2) AP24(9.2,-13.2) AP25(9.6,-13.2) AP26(10,-13.2) AP27(10.4,-13.2) AP28(10.8,-13.2) AP29(11.2,-13.2) AP30(11.6,-13.2) AP31(12,-13.2) AP32(12.4,-13.2) AP33(12.8,-13.2) AP34(13.2,-13.2) AP35(13.6,-13.2) AP36(14,-13.2) AP37(14.4,-13.2) AR1(0,-13.6) AR2(0.4,-13.6) AR4(1.2,-13.6) AR6(2,-13.6) AR7(2.4,-13.6) AR9(3.2,-13.6) AR10(3.6,-13.6) AR12(4.4,-13.6) AR14(5.2,-13.6) AR15(5.6,-13.6) AR17(6.4,-13.6) AR18(6.8,-13.6) AR20(7.6,-13.6) AR21(8,-13.6) AR23(8.8,-13.6) AR24(9.2,-13.6) AR26(10,-13.6) AR27(10.4,-13.6) AR29(11.2,-13.6) AR30(11.6,-13.6) AR32(12.4,-13.6) AR33(12.8,-13.6) AR35(13.6,-13.6) AR36(14,-13.6) AR38(14.8,-13.6) B1(0,-0.4) B2(0.4,-0.4) B3(0.8,-0.4) B4(1.2,-0.4) B5(1.6,-0.4) B6(2,-0.4) B7(2.4,-0.4) B8(2.8,-0.4) B9(3.2,-0.4) B10(3.6,-0.4) B11(4,-0.4) B12(4.4,-0.4) B13(4.8,-0.4) B14(5.2,-0.4) B15(5.6,-0.4) B16(6,-0.4) B17(6.4,-0.4) B18(6.8,-0.4) B19(7.2,-0.4) B20(7.6,-0.4) B21(8,-0.4) B22(8.4,-0.4) B23(8.8,-0.4) B24(9.2,-0.4) B25(9.6,-0.4) B26(10,-0.4) B27(10.4,-0.4) B28(10.8,-0.4) B29(11.2,-0.4) B30(11.6,-0.4) B31(12,-0.4) B32(12.4,-0.4) B33(12.8,-0.4) B34(13.2,-0.4) B35(13.6,-0.4) B36(14,-0.4) B37(14.4,-0.4) B38(14.8,-0.4) C1(0,-0.8) C2(0.4,-0.8) C37(14.4,-0.8) D2(0.4,-1.2) D37(14.4,-1.2) D38(14.8,-1.2) E1(0,-1.6) E2(0.4,-1.6) E37(14.4,-1.6) F1(0,-2) F2(0.4,-2) F37(14.4,-2) F38(14.8,-2) G2(0.4,-2.4) G37(14.4,-2.4) G38(14.8,-2.4) H1(0,-2.8) H2(0.4,-2.8) H37(14.4,-2.8) J2(0.4,-3.2) J37(14.4,-3.2) J38(14.8,-3.2) K1(0,-3.6) K2(0.4,-3.6) K37(14.4,-3.6) K38(14.8,-3.6) L2(0.4,-4) L37(14.4,-4) M1(0,-4.4) M2(0.4,-4.4) M37(14.4,-4.4) M38(14.8,-4.4) N1(0,-4.8) N2(0.4,-4.8) N37(14.4,-4.8) N38(14.8,-4.8) P2(0.4,-5.2) P37(14.4,-5.2) R1(0,-5.6) R2(0.4,-5.6) R37(14.4,-5.6) R38(14.8,-5.6) T2(0.4,-6) T37(14.4,-6) T38(14.8,-6) U2(0.4,-6.4) U37(14.4,-6.4) V1(0,-6.8) V2(0.4,-6.8) V37(14.4,-6.8) V38(14.8,-6.8) W2(0.4,-7.2) W37(14.4,-7.2) W38(14.8,-7.2) Y1(0,-7.6) Y2(0.4,-7.6) Y37(14.4,-7.6)
  silkscreen extent -1.35,-15.07 16.15,1.33, body extent -0.22,-13.94 15.03,0.21, height 1

## Part data
C1 C2 C3 C4 C11 C14 C21 C22 C25 C27 C29 C36 C37 C41 C42 C44 C45 C51 C52 C53 C54 C55 C56 C61 C62 C63 C64 C65 C66 C67 C68 C69 C70 C71 C72 C73 C74 C75 C76 C77 C81 C82 C83 C84 C85 C86 C87 C88 C89 C90 C91 C92 C93 C94 C95 C96 C97 C98 C99 C100 C107 C108 C109 C114: library part Cap_0402, "Capacitor", Note=±10%, Specification="X7R, ±10%, 16V", Type=0402
C5 C6 C7 C8 C9 C10 C12 C13 C15 C16 C17 C18 C19 C20 C23 C24 C26 C28 C30 C31 C32 C33 C34 C35 C38 C39 C40 C43 C46 C47 C48 C57 C104 C105 C106 C113 C118 C122: library part Cap_0201, "Capacitor", Note=±10%, Specification="X7R, ±10%, 16V", Type=0201
C49 C50 C58 C59 C60 C78 C79 C80 C101 C102 C103 C110 C111 C112 C115 C116 C117 C119 C120 C121: library part Cap_0603, "Capacitor", Note=±10%, Specification="X7R, ±10%, 16V", Type=0603
R1 R2 R3 R4 R5 R6 R7 R8 R9 R10 R11 R12 R13 R15: library part Res_0402, "Resistor", Note=±1%, Specification=±1%, Type=0402
X1: library part XL2EL89COI-111YLC-24M
U1: Add into BOM=yes, Convert to PCB=yes, Device=RK3566, Symbol=RK3566
U2: Add into BOM=yes, Convert to PCB=yes, Device=LPDDR4, Symbol=LPDDR4

## Free pads (board coordinates)
  oval 27.56x39.37 hole 23.62 mask+0: 1(1082.68,1574.8) 2(1043.31,1574.8) 3(1003.94,1574.8) 4(964.57,1574.8) 5(925.2,1574.8) 6(885.83,1574.8) 7(846.46,1574.8) 8(807.09,1574.8) 9(767.72,1574.8) 10(728.35,1574.8) 11(688.98,1574.8) 12(649.61,1574.8) 13(610.24,1574.8) 14(570.87,1574.8) 15(531.5,1574.8) 16(492.13,1574.8) 17(452.76,1574.8) 18(413.39,1574.8) 19(374.02,1574.8) 20(334.65,1574.8) 21(295.28,1574.8) 22(255.91,1574.8) 23(216.53,1574.8) 24(177.16,1574.8) 25(137.79,1574.8) 26(98.43,1574.8) 63(98.42,0) 64(137.79,0) 65(177.16,0) 66(216.53,0) 67(255.91,0) 68(295.28,0) 69(334.65,0) 70(374.02,0) 71(413.39,0) 71(807.09,0) 72(452.76,0) 73(492.13,0) 74(531.5,0) 75(570.87,0) 76(610.24,0) 77(649.61,0) 78(688.98,0) 79(728.35,0) 80(767.72,0) 82(846.46,0) 83(885.83,0) 84(925.2,0) 85(964.57,0) 86(1003.94,0) 87(1043.31,0) 88(1082.68,0)
  oval 39.37x27.56 hole 23.62 mask+0: 27(0,1476.38) 28(0,1437.01) 29(0,1397.64) 30(0,1358.27) 31(0,1318.9) 32(0,1279.53) 33(0,1240.16) 34(0,1200.79) 35(0,1161.42) 36(0,1122.05) 37(0,1082.68) 38(0,1043.31) 39(0,1003.94) 40(0,964.57) 41(0,925.2) 42(0,885.84) 43(0,846.46) 44(0,807.09) 45(0,767.63) 46(0,728.35) 47(0,688.98) 48(0,649.61) 49(0,610.24) 50(0,570.87) 51(0,531.5) 52(0,492.13) 53(0,452.76) 54(0,413.39) 55(0,374.02) 56(0,334.65) 57(0,295.28) 58(0,255.91) 59(0,216.54) 60(0,177.17) 61(0,137.8) 62(0,98.42) 89(1181.1,98.43) 90(1181.1,137.8) 91(1181.1,177.17) 92(1181.1,216.54) 93(1181.1,255.91) 94(1181.1,295.28) 95(1181.1,334.65) 96(1181.1,374.02) 97(1181.1,413.39) 98(1181.1,452.76) 99(1181.1,492.13) 100(1181.1,531.5) 101(1181.1,570.87) 102(1181.1,610.24) 103(1181.1,649.61) 104(1181.1,688.98) 105(1181.1,728.35) 106(1181.1,767.72) 107(1181.1,807.09) 108(1181.1,846.47) 109(1181.1,885.83) 110(1181.1,925.2) 111(1181.1,964.57) 112(1181.1,1003.94) 113(1181.1,1043.31) 114(1181.1,1082.68) 115(1181.1,1122.05) 116(1181.1,1161.42) 117(1181.1,1200.79) 118(1181.1,1240.16) 119(1181.1,1279.53) 120(1181.1,1318.9) 121(1181.1,1358.27) 122(1181.1,1397.64) 123(1181.1,1437.01) 124(1181.1,1476.38)

## Via types
v1: diameter 15.75, hole 7.87, Top Layer to Bottom Layer, tented both sides, 475 vias
v2: diameter 15.75, hole 11.81, Top Layer to Bottom Layer, tented both sides, 2 vias

## Nets (pads, with @x,y where several pads share a name; then routed paths per layer and width w, separated by ;. In a path a pad name is that pad's centre, name@x,y a point inside that pad or via, vN(x,y) a via of type N, cw(c..) or ccw(c..) an arc to the next point about the centre after c; other vN are vias at no path point)
BT_REG_ON_H: pad.30 U1.D38 | length 364.3
  Top Layer w5: v1(165.53,1137.58) 187.47,1137.58 U1.D38@211.94,1113.1
  SIG3 w5: pad.30@0,1358.27 5.91,1358.27 47.24,1316.93 47.24,1248.53 86.84,1208.93 86.84,1190.67 139.93,1137.58 v1(165.53,1137.58)
BT_WAKE_HOST_H: pad.37 U1.A37 | length 204.7
  Top Layer w5: pad.37@0,1082.68 45.68,1082.68 60.88,1067.48 111.61,1067.48 121.67,1057.42 178.54,1057.42 U1.A37@189.67,1068.56
EMMC_CLKOUT: pad.53 R6.2 | length 46.9
  Top Layer w5: pad.53@0,452.76 R6.2@46.93,452.76
EMMC_CMD: pad.56 U1.A27 | length 753.9
  Top Layer w5: pad.56@0,334.65 11.42,334.65 136.34,459.57 136.34,792.52 U1.A27@301.03,957.2
EMMC_D0: pad.49 U1.A32 | length 508.7
  Top Layer w5: pad.49@0,610.24 5.91,610.24 48.77,653.11 48.77,817.97 240.87,1010.06 241.01,1010.06 243.83,1012.88 U1.A32@245.35,1012.88
EMMC_D1: pad.55 U1.B27 | length 749.2
  Top Layer w4.6: 298.89,968.34 U1.B27@312.16,968.34
  Top Layer w5: pad.55@0,374.02 27.72,374.02 124.09,470.38 124.09,794.77 289.71,960.39 289.71,961.89 296.16,968.34 298.89,968.34
EMMC_D2: pad.50 U1.B32 | length 560.2
  Top Layer w4.6: 256.49,1010.76 U1.B32@256.49,1024.01
  Top Layer w5: pad.50@0,570.87 59.84,630.71 59.84,812.68 248.73,1001.56 250.04,1001.56 256.49,1008.01 256.49,1010.76
EMMC_D3: pad.54 U1.B29 | length 723.6
  Top Layer w4.6: 289.89,975.7 U1.B29@289.89,990.61
  Top Layer w5: pad.54@0,413.39 43.42,413.39 110.99,480.95 110.99,797.12 282.03,968.16 283.44,968.16 289.89,974.61 289.89,975.7
EMMC_D4: pad.47 U1.B33 | length 460.6
  Top Layer w4.6: pad.47@0,688.98 5.91,688.98 26.51,709.58 26.51,832.32 215.3,1021.1 ; 231.39,1035.15 U1.B33@245.35,1035.15
  Top Layer w5: 215.3,1021.1 222.9,1028.7 229.35,1035.15 231.39,1035.15
EMMC_D5: pad.52 U1.A30 | length 610.4
  Top Layer w5: pad.52@0,492.13 1.88,492.13 85.04,575.28 85.04,805.97 264.81,985.74 264.81,986.27 267.62,989.08 U1.A30@267.62,990.61
EMMC_D6: pad.51 U1.B30 | length 596.2
  Top Layer w4.6: 264.72,1001.74 U1.B30@278.76,1001.74
  Top Layer w5: pad.51@0,531.5 1.84,531.5 72.29,601.95 72.29,809.31 256.31,993.33 256.31,995.29 262.75,1001.74 264.72,1001.74
EMMC_D7: pad.48 U1.A33 | length 474.9
  Top Layer w5: pad.48@0,649.61 5.91,649.61 37.43,681.13 37.43,824.99 231.4,1018.95 231.4,1019.68 234.21,1022.49 U1.A33@234.21,1024.02
EMMC_DATA_STROBE: pad.57 U1.1A16 | length 926.9
  Bottom Layer w5: pad.57@0,295.28 5.91,295.28 30.17,319.54 30.17,850.14 170.64,990.61 290.02,990.61 v1(316.92,1017.51)
EMMC_RSTN: pad.58 U1.1B16 | length 987.2
  Bottom Layer w5: pad.58@0,255.91 10.43,255.91 43.46,288.94 43.46,844.93 178.51,979.98 305.75,979.98 336.26,1010.49 336.26,1020.25 v1(338.32,1022.31)
FLASH_VOL_SEL: R3.1 U1.AF38 | length 82.2
  Top Layer w5: R3.1@414.99,1422.87 431.1,1406.76 431.1,1383.9 U1.AF38@456.92,1358.08